# KiCad board Panel.kicad_pcb (continued)
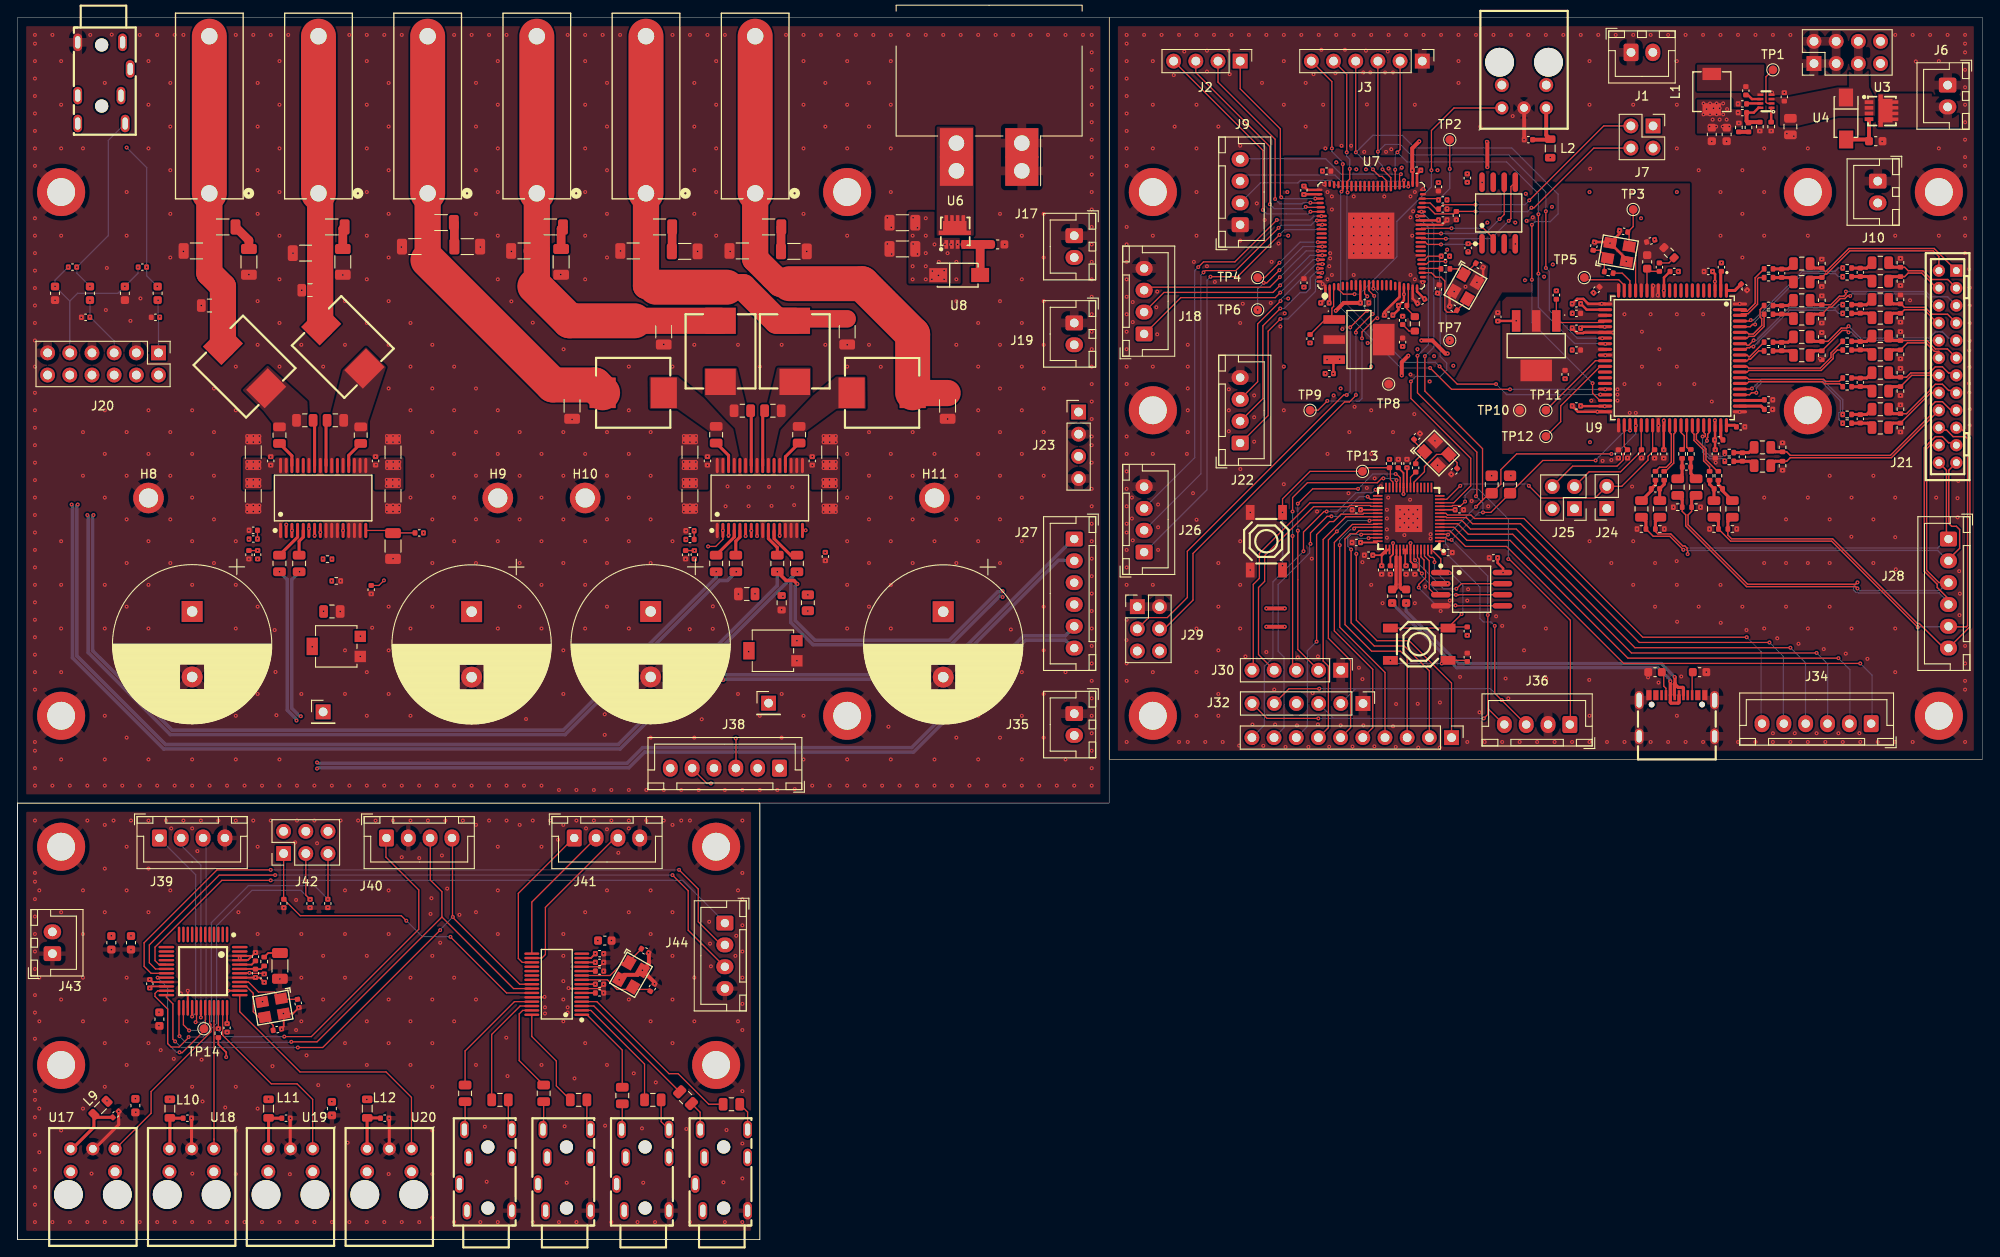
[diagram p0: board, top side]
## Routing (per net, layer and track width the routed paths; a pad name or vN(x,y) marks a point on that pad's centre or on a via; arc(x,y) is an arc through that point) (continued)
/FAULTZA: length 58
  Top w0.143: U12.6 164.91,82 166.12,80.8 171.2,80.8 184.8,67.2 v1(206,67.2)
  Bottom w0.143: v1(206,67.2) 207.27,65.93 207.27,59
/FAULTZB: length 55.7
  Top w0.143: v1(203,67.8) 185.2,67.8 171.6,81.4 166.36,81.4 165.36,82.4 U12.7
  Bottom w0.143: v1(203,67.8) 204.73,66.07 204.73,59
/LIN: length 7.2
  Bottom w0.143: v1(8.3,107.6) v1(8.3,105.7) 11.07,102.93 J20.5
/MUTEA: length 53.8
  Top w0.143: v1(200.6,68.4) 185.7,68.4 172.1,82 166.6,82 165.9,82.7 163.64,82.7 163.54,82.8 U12.8
  Bottom w0.143: 202.19,59 202.19,66.81 v1(200.6,68.4)
/MUTEB: length 51.7
  Top w0.143: U12.9 163.54,83.2 163.74,83 166.43,83 166.83,82.6 172.5,82.6 186.1,69 v1(198,69)
  Bottom w0.143: v1(198,69) 199.65,67.35 199.65,59
/PCM1865/ADR0: length 38.1
  Top w0.143: U16.25 56,28.25 v1(49.58,34.68) ; v1(44.53,36.53) 43.95,37.1 32.38,37.1 R104.1 30.47,39 J42.1
  Bottom w0.143: v1(49.58,34.68) 49.55,34.7 46.35,34.7 v1(44.53,36.53)
/PCM1865/BCK: length 18.7
  Top w0.143: 68.77,46 68.4,46 60.45,38.05 60.45,32.65 60.05,32.25 U16.17
/PCM1865/DOUT: length 18.2
  Top w0.143: U16.18 57.8,31.75 57.35,32.2 57.35,39.66 63.69,46
/PCM1865/LRCK: length 16.3
  Top w0.143: U16.16 58.89,38.66 66.23,46
/PCM1865/SCL: length 62.9
  Top w0.143: v1(18.55,23.3) 18.5,23.35 U15.25 ; 48.6,36.95 56.8,28.75 U16.24 ; 48.6,36.95 34.3,22.65 v1(31.35,22.65) ; 48.6,36.95 48.6,39.85 47.27,41.18 47.27,46
  Bottom w0.143: v1(18.55,23.3) 19.25,22.6 31.3,22.6 v1(31.35,22.65) 31.4,22.6
/PCM1865/SDA: length 65.4
  Top w0.143: v1(18.05,22.7) 17.8,22.95 17.8,27 17.05,27.75 U15.24 ; v1(32.1,22) 34.95,22 v1(48.4,35.45) ; U16.23 57.5,29.25 49.85,36.9 v1(49.85,36.95) 49.8,36.95 49.81,36.94 49.81,46
  Bottom w0.143: v1(18.05,22.7) 18.75,22 v1(32.1,22) ; v1(49.85,36.95) 48.4,35.5 v1(48.4,35.45)
/PCM9211/ADR0: length 44.3
  Top w0.143: J42.3 33.02,39.47 R105.1 ; R105.1 v1(33.5,38.95) 33.53,38.95 R105.1 ; U15.23 16.05,28.5 15.75,28.2 15.75,27.85 17.2,26.4 17.2,22.45 17.6,22.05 18.5,22.05 19.6,23.15 v1(19.6,23.2) 19.65,23.2
  Bottom w0.143: v1(33.5,38.95) 32.45,40 26.85,40 22.8,35.95 22.8,24.75 21.25,23.2 v1(19.6,23.2)
/PCM9211/ADR1: length 38.1
  Top w0.143: U15.26 19,24.6 v1(19.65,23.95) ; R106.1 35.55,39 v1(35.55,39) 35.56,39 35.56,44.22
  Bottom w0.143: v1(19.65,23.95) 21.12,23.95 22.2,25.03 22.2,36.3 26.45,40.55 34,40.55 v1(35.55,39)
/PCM9211/BCK: length 81.3
  Top w0.143: 81,33.77 80.58,33.77 77.95,36.4 77.95,40.15 v1(75.75,42.35) ; U15.19 15.3,30.5 14.5,31.3 14.5,34 22.85,42.35 v1(29,42.35)
  Bottom w0.143: 75.7,42.35 v1(75.75,42.35) v1(29,42.35)
/PCM9211/BCKI: length 22.6
  Top w0.143: U15.30 v1(21,25.45)
  Bottom w0.143: v1(21,25.45) 21,42.9 18.73,45.17 18.73,46
/PCM9211/DIN: length 23.4
  Top w0.143: U15.28 v1(20,25.55)
  Bottom w0.143: 16.19,46 20.4,41.79 20.4,25.95 v1(20,25.55)
/PCM9211/DOUT: length 73.5
  Top w0.143: U15.17 16.2,31.5 15.75,31.95 15.75,33.5 23.4,41.15 v1(29,41.15)
  Bottom w0.143: v1(29,41.15) 76.16,41.15 81,36.31
/PCM9211/LRCK: length 80.5
  Top w0.143: U15.18 15.8,31 15.1,31.7 15.1,33.75 23.1,41.75 v1(29.5,41.75) ; v1(75,41.75) 76.8,39.95 76.8,35.43 81,31.23
  Bottom w0.143: v1(29.5,41.75) v1(75,41.75)
/PCM9211/LRCKI: length 24
  Top w0.143: U15.29 20.5,25 v1(20.4,24.9) 20.35,24.85
  Bottom w0.143: v1(20.4,24.9) 21.25,24.9 21.6,25.25 21.6,45.67 21.27,46
/PCM9211/RST: length 43
  Top w0.143: 42.19,46 42.19,43.81 45.95,40.05 45.95,35.55 33.65,23.25 v1(30.55,23.25) ; R108.1 v1(23,24.15) U15.34
  Bottom w0.143: v1(30.55,23.25) 23.7,23.25 23,23.95 v1(23,24.15)
/PCM9211/SCKO: length 17.4
  Top w0.143: U15.20 v1(16.05,30) ; U15.31 21.5,24.3 TP14.1 21.35,23.9 18.85,21.4 v1(18.55,21.45) 18.55,21.4
  Bottom w0.143: v1(18.55,21.45) 18.2,21.45 17.2,22.45 17.2,28.85 v1(16.05,30)
/PCM9211/SPDIF0: length 31.6
  Top w0.143: U15.37 25.45,26.1 32.35,19.2 42.2,19.2 45.11,16.29 45.11,10.34
/PCM9211/SPDIF1: length 22.2
  Top w0.143: 33.8,10.34 33.8,16.05 32.01,17.84 29.06,17.84 23.5,23.4 23.5,26.55 U15.35
/PCM9211/SPDIF2: length 16.2
  Top w0.143: 22.49,10.34 22.5,10.35 22.5,11.5 22.5,11.5 22.5,25.03 22.5,25.03 U15.33
/PCM9211/SPDIF3: length 20.8
  Top w0.143: U15.32 22,24.8 22.15,24.65 22.15,23.8 15.3,16.95 15.3,14.47 11.17,10.34
/PCM9211_RST: length 37
  Top w0.143: U12.11 164.25,84 164.34,84.09 165.29,84.09 v1(165.75,84.55) ; 177.81,59 177.81,70.94 170.8,77.95 v1(170.7,77.95)
  Bottom w0.143: v1(170.7,77.95) 170.7,82.55 167.3,85.95 166.45,85.95 165.75,85.25 v1(165.75,84.55)
/RIN: length 6.2
  Bottom w0.143: J20.1 16.15,105.55 v1(16.3,105.7) 16.1,105.9 v1(16.1,107.6)
/RP2040/GPIO20_UART_TX: length 29.7
  Top w0.143: J30.5 141.5,65.36 141.5,75.05 142.2,75.75 142.2,78.6 148,84.4 U12.31
/RP2040/GPIO21_UART_RX: length 29.5
  Top w0.143: U12.32 154.97,84 154.88,84.09 152.54,84.09 152.4,83.95 148.4,83.95 142.8,78.35 142.8,75.4 142.1,74.7 142.1,67.02 143.9,65.22
/RP2040/RPUSB_D+: length 5.1
  Top w0.2: U12.47 158.3,78.21 158.31,78.2
  Top w0.374: R97.1 158.53,74.47 158.31,74.69 158.31,78.2
/RP2040/RPUSB_D-: length 5
  Top w0.2: 157.85,78.2 157.9,78.25 U12.46
  Top w0.374: 157.85,78.2 157.85,74.6 157.72,74.47 R96.2 157.4,74.5
/RP2040/USB_D+: length 39
  Top w0.374: 189.71,63.65 189.79,63.73 189.79,64.4 v1(189.75,64.45) ; 189.71,63.65 189.75,63.65 190.15,63.25 190.68,63.25 190.75,63.18 U14.B6 ; 189.71,63.65 189.71,62.4 U14.A6
  Bottom w0.374: v1(189.75,64.45) 188.2,65.99 164.99,65.99 159,71.98 v1(159,72.9)
/RP2040/USB_D-: length 40
  Top w0.374: v1(189.25,63.95) 189.25,63.95 U14.B7 189.25,61.54 189.34,61.45 190.16,61.45 190.25,61.54 U14.A7
  Bottom w0.374: v1(157.4,72.9) 164.79,65.51 187.85,65.51 189.25,64.11 v1(189.25,63.95)
/SCL: length 122.9
  Top w0.143: 172.73,59 169.95,61.78 v1(169.95,61.8) 169.93,61.8 169.15,62.58 v1(169.15,70.3) ; J32.5 145.59,63.1 v1(149.05,63.1) ; v1(182.5,90) 171.65,90 169.85,88.2 169.85,86.55 R75.2 168.55,85.5 v1(167,83.95) 167.75,84.7 167.75,90.6 161.15,97.2 v1(161.15,101.2) ; v1(163.8,80.75) 163.75,80.8 U12.3
  Bottom w0.143: 153.21,63.1 v1(149.05,63.1) ; 153.21,63.1 J32.2 ; 153.21,63.1 168.65,63.1 v1(169.95,61.8) ; v1(182.5,90) 183,90 185.3,92.3 v1(185.3,93.25) ; v1(169.15,70.3) 168.7,70.75 167.85,70.75 167.45,71.15 167.45,74.75 163.8,78.4 163.8,79.4 163.5,79.7 163.5,80.45 v1(163.8,80.75) v1(167,83.95) ; v1(161.15,101.2) 162.17,102.22 162.17,116.33 v1(160.75,117.75)
/SDA: length 120.5
  Top w0.143: J32.6 143.07,59.7 v1(148.95,59.7) ; 168.35,60.84 168.35,60.15 v1(167.9,59.7) ; 168.35,60.84 170.19,59 ; 168.35,60.84 v1(168.35,71.55) ; U12.2 163.54,80.4 163.79,80.15 v1(164.2,80.15) ; v1(184.65,92.7) 184.62,92.73 U9.43 ; v1(167,85.15) 167.1,85.25 167.1,90.2 160.3,97 v1(160.3,101.25) ; v1(180.7,89.25) 174.65,89.25 R76.2 168.7,83.3 v1(167.8,83.3)
  Bottom w0.143: v1(148.95,59.7) 150.69,59.7 ; 150.69,59.7 v1(167.9,59.7) ; 150.69,59.7 J32.3 ; v1(160.25,117.25) 161.55,115.95 161.55,102.5 v1(160.3,101.25) ; v1(184.65,92.7) 184.1,92.7 180.7,89.3 v1(180.7,89.25) ; v1(168.35,71.55) 168.35,76 v1(164.2,80.15) 167.35,83.3 v1(167.8,83.3) 167.8,84.35 v1(167,85.15)
/SDZA: length 62
  Top w0.143: v1(211,66) 183.9,66 170.5,79.4 165.8,79.4 164,81.2 U12.4
  Bottom w0.143: v1(211,66) 212.35,64.65 212.35,59
/SDZB: length 60
  Top w0.143: v1(208.5,66.6) 184.4,66.6 170.9,80.1 165.96,80.1 164.46,81.6 U12.5
  Bottom w0.143: v1(208.5,66.6) 209.81,65.29 209.81,59
/SIN: length 21
  Bottom w0.143: 5.99,107.51 6.88,108.4 11.5,108.4 v1(12.3,109.2) 13.8,110.7 v1(13.8,111.4) ; 5.99,107.51 J20.9 ; 5.99,107.51 v1(4.3,109.2) 4.3,109.9 v1(5.8,111.4)
/TPA3126D2/FAULTZA: length 33.4
  Top w0.143: 82.27,54 82.27,57.38 v1(82.25,57.4) ; R90.2 77.52,78.93 v1(77.53,78.92)
  In1.Cu w0.143: v1(82.25,57.4) 78.15,61.5 78.15,79.55 78.47,79.88 ; 78.47,79.88 79.3,80.7 v1(81.42,80.7) ; 78.47,79.88 v1(77.53,78.92)
/TPA3126D2/FAULTZB: length 70.4
  Top w0.143: U10.3 v1(31.42,81.22) 31.42,80.53 ; R89.1 v1(27.5,78.95) 27.48,78.93 R88.2
  In1.Cu w0.143: 79.73,54 77.93,52.2 61.1,52.2 49.9,63.4 49.9,66.42 34.33,82 32.2,82 v1(31.42,81.22) 31.42,80.7 30.22,79.5 28.98,79.5 28.42,78.95 v1(27.5,78.95)
/TPA3126D2/LINN: length 170.7
  In1.Cu w0.401: J20.8 8.53,97.22 6.29,94.98 6.29,84.29 v1(6.2,84.2) ; 121,72.73 119.99,73.74 112.94,73.74 v1(112.8,73.6)
  Bottom w0.401: v1(6.2,84.2) 6.29,84.11 6.29,66.64 16.74,56.2 69,56.2 88.7,75.9 ; 88.7,75.9 88.54,75.74 88.54,70.69 91.09,68.14 106.91,68.14 112.46,73.69 112.71,73.69 v1(112.8,73.6) ; 88.7,75.9 v1(89.3,76.5)
/TPA3126D2/LINP: length 170.4
  Top w0.401: v1(87,76.5) 88,75.5 88.9,75.5 v1(89.3,75.1)
  In1.Cu w0.401: v1(6.9,84.2) 6.81,84.29 6.81,94.77 J20.6 ; v1(112.8,74.3) 112.84,74.26 119.99,74.26 121,75.27
  Bottom w0.401: v1(87,76.5) 87,74.92 68.79,56.71 16.95,56.71 6.81,66.86 6.81,84.11 v1(6.9,84.2) ; v1(112.8,74.3) 112.71,74.21 112.24,74.21 106.69,68.66 91.31,68.66 89.06,70.91 89.06,74.86 v1(89.3,75.1)
/TPA3126D2/MUTEA: length 46.3
  Top w0.143: 77.19,54 78.94,52.25 v1(79.4,52.25)
  In1.Cu w0.143: v1(87.28,80.67) 88.45,79.5 90.45,79.5 91.22,78.72 v1(92.47,78.72) 92.25,78.72 91.92,78.4 91.92,71.38 91,70.45 91,54.8 88.45,52.25 v1(79.4,52.25)
/TPA3126D2/MUTEB: length 51
  Top w0.143: R95.2 41.38,74.93 v1(41.96,75.51)
  In1.Cu w0.143: v1(37.28,81.23) 37.28,80.17 41.94,75.51 v1(41.96,75.51) 50.92,66.55 53.3,66.55 65.85,54 74.65,54
/TPA3126D2/RINN: length 179.1
  In1.Cu w0.401: C145.1 81.11,75.36 81.11,65.25 81.34,65.02 81.34,64.58 81.02,64.26 80.96,64.26 v1(80.8,64.1) ; v1(8,83) 8.09,83.09 8.09,91.7 13.61,97.22 J20.4
  Bottom w0.401: v1(8,83) 8.09,82.91 8.09,67.24 17.49,57.84 62.72,57.84 80.37,75.5 81.3,75.5 v1(82.3,76.5) ; v1(80.8,64.1) 80.89,64.19 100.36,64.19 102.56,66.4 107.77,66.4 119.18,77.81 121,77.81
/TPA3126D2/RINP: length 176.6
  In1.Cu w0.401: v1(8.7,83) 8.61,83.09 8.61,91.49 J20.2 ; v1(80,76.5) 80.6,75.9 80.6,65 v1(80.8,64.8)
  Bottom w0.401: v1(80.8,64.8) 80.89,64.71 100.14,64.71 102.35,66.91 107.56,66.91 121,80.35 ; v1(80,76.5) 80,75.85 62.51,58.36 17.71,58.36 8.61,67.46 8.61,82.91 v1(8.7,83)
/TPA3126D2/SDZA: length 36.5
  Top w0.143: v1(80.77,81.23) 80.77,80.22 79.95,79.4 v1(79.08,79.4) ; R87.1 v1(77.47,81.22) R84.2
  In1.Cu w0.143: v1(80.77,81.23) 77.48,81.23 v1(77.47,81.22) ; v1(79.08,79.4) 78.78,79.1 78.78,62.58 87.35,54
/TPA3126D2/SDZB: length 73
  Top w0.143: R83.2 27.48,80.28 v1(27.48,80.28) 27.48,80.27 R86.1 27.5,80.25 27.5,80.23 27.58,80.15 ; U10.2 30.77,80.53
  In1.Cu w0.143: v1(27.48,80.28) 29.15,80.28 v1(30.78,81.9) 31.62,82.75 37.28,82.75 38.22,81.8 38.22,80.4 51.45,67.17 53.88,67.17 64.65,56.4 82.41,56.4 84.81,54
/TPA3126D2/SINN: length 165.6
  Top w0.401: 32.3,76.55 v1(32.3,76.5) C143.1
  In1.Cu w0.401: v1(32.45,59.95) 32.45,59.81 34.51,57.75 34.51,55.2 34.84,54.87 34.84,54.43 34.36,53.95 v1(34.3,53.95) ; 32.3,76.55 31.74,75.99 31.01,75.99 30.71,75.69 29.29,75.69 28.99,75.99 11.61,75.99 4.46,83.14 4.46,98.02 J20.12
  Bottom w0.401: v1(32.45,59.95) 32.31,59.95 31.41,60.86 31.41,75.61 v1(32.3,76.5) ; v1(34.3,53.95) 34.39,54.04 70.01,54.04 71.81,55.84 102.61,55.84 115.43,68.66 119.99,68.66 121,67.65
/TPA3126D2/SINP: length 160.9
  In1.Cu w0.401: v1(34.3,54.65) 34,54.95 34,57.54 32.09,59.45 v1(31.95,59.45) ; J20.10 4.98,98.02 4.98,83.35 11.82,76.5 v1(30,76.5)
  Bottom w0.401: 121,70.19 119.99,69.18 115.21,69.18 102.39,56.36 71.59,56.36 69.79,54.56 34.39,54.56 v1(34.3,54.65) ; v1(30,76.5) 30.89,75.61 30.89,60.64 31.95,59.59 v1(31.95,59.45)
/TPA3126D2/SYNC: length 46.9
  Top w0.143: U11.16 90.23,81.23 v1(90.25,81.25)
  In1.Cu w0.143: v1(46.5,80.95) 74.3,80.95 75.7,82.35 78.85,82.35 79.55,83.05 89.8,83.05 90.7,82.15 90.7,81.7 v1(90.25,81.25)
Net-(C11-Pad2): length 3.7
  Top w0.143: 161.05,90.26 Y3.1 ; Y3.1 160.1,89.26 R70.1 ; Y3.1 159.91,91.44 C103.2
Net-(C21-Pad2): length 2
  Top w0.2: R107.1 28.72,32.82 C165.2
Net-(C23-Pad1): length 1.7
  Top w0.143: R42.1 159.34,104.08 C69.1
Net-(C26-Pad1): length 3.8
  Top w0.143: C35.1 165.69,110.54 Y2.1 164.93,111.2 R24.2
Net-(C44-Pad1): length 3.7
  Top w0.143: R26.2 181.7,112.06 Y1.1 181.16,113.33 C18.1
Net-(C45-Pad1): length 1.9
  Top w0.143: R17.2 189.1,111.88 C36.1
Net-(C46-Pad1): length 2.8
  Top w1: C20.1 50.03,116.44 R9.2
Net-(C47-Pad2): length 2.6
  Top w1: C31.2 62.25,115.79 R12.1
Net-(C48-Pad1): length 2.8
  Top w1: R13.2 74.96,113.24 74.92,113.2
Net-(C49-Pad2): length 2.8
  Top w1: 87.42,113.2 87.42,115.96 R14.1
Net-(C50-Pad1): length 3.2
  Top w1: R10.2 26.5,114.46 C29.1
Net-(C51-Pad2): length 2.6
  Top w1: C30.2 37.25,115.79 R11.1
Net-(C62-Pad1): length 2.6
  Top w0.35: C34.2 202.75,111.2 R25.2
Net-(C62-Pad2): length 2.5
  Top w0.35: R28.2 202.85,110.2 C43.1
Net-(C65-Pad1): length 2.6
  Top w0.35: C33.2 211.73,111.28 C40.1 210.03,111.28 R23.2
Net-(C65-Pad2): length 2.6
  Top w0.35: R27.2 210.03,110.32 C40.2 211.83,110.32 C42.1
Net-(C68-Pad1): length 2.6
  Top w0.35: C54.2 202.75,107 R35.2
Net-(C68-Pad2): length 2.5
  Top w0.35: R37.2 202.85,106 C68.1
Net-(C71-Pad1): length 2.6
  Top w0.35: R34.2 210.98,107.1 C62.1 211.73,107.08 C53.2
Net-(C71-Pad2): length 2.6
  Top w0.35: C67.1 211.83,106.12 C62.2 210.98,106.1 R36.2
Net-(C74-Pad1): length 2.6
  Top w0.35: R47.2 202.75,102.8 C74.2
Net-(C74-Pad2): length 2.5
  Top w0.35: R49.2 202.85,101.8 C80.1
Net-(C77-Pad1): length 2.6
  Top w0.35: R46.2 210.98,102.9 C76.1 211.73,102.88 C73.2
Net-(C77-Pad2): length 2.6
  Top w0.35: R48.2 210.98,101.9 C76.2 211.83,101.92 C79.1
Net-(C80-Pad1): length 2.6
  Top w0.35: R53.2 211.75,98.7 C81.2
Net-(C80-Pad2): length 2.5
  Top w0.35: R54.2 211.85,97.7 C85.1
Net-(C83-Pad1): length 2.6
  Top w0.35: C90.2 211.75,94.52 R57.2
Net-(C83-Pad2): length 2.5
  Top w0.35: C98.1 211.85,93.52 R58.2
Net-(C86-Pad1): length 2.6
  Top w0.35: C105.2 198.25,90.15 R61.2
Net-(C86-Pad2): length 2.5
  Top w0.35: R67.2 198.35,89.15 C120.1
Net-(C89-Pad1): length 3
  Top w0.35: R74.2 194.75,86.48 C126.1 195.23,85.77 C134.2
Net-(C89-Pad2): length 2.6
  Top w0.35: R73.2 193.75,86.52 C126.2 194.25,85.98 C133.1
Net-(C92-Pad1): length 2.6
  Top w0.35: C124.2 191.6,87.75 R66.2
Net-(C92-Pad2): length 2.5
  Top w0.35: C123.1 190.6,87.65 R65.2
Net-(C95-Pad1): length 2.6
  Top w0.35: R72.2 188.55,86.52 C125.1 188.03,84.67 C132.2
Net-(C95-Pad2): length 3
  Top w0.35: C131.1 187.07,85.77 C125.2 187.55,86.48 R71.2
Net-(J1-AUDIO_L): length 3.4
  Top w0.143: C180.1 78.17,14.58 78.17,12.6
Net-(J1-AUDIO_R): length 3.3
  Top w0.143: 83.6,12.6 83.6,14.6 C184.1
Net-(J1-Pin_1): length 20.2
  In1.Cu w0.143: v1(83.38,80.6) 83.38,67.7 v1(83.72,67.35) 83.72,67.22 86,64.95 J31.1
Net-(J2-AUDIO_L): length 3
  Top w0.143: C179.1 69.25,12.69 69.17,12.6
Net-(J2-AUDIO_R): length 3.8
  Top w0.143: 74.6,12.6 73.7,13.5 C183.1
Net-(J2-Pin_1): length 21.6
  In1.Cu w0.143: v1(33.38,81.42) 33.38,68.28 v1(33.75,67.9) 35,66.65 J33.1
Net-(J3-AUDIO_L): length 3.2
  Top w0.143: C178.1 60.25,12.69 60.17,12.6
Net-(J3-AUDIO_R): length 3.6
  Top w0.143: 65.6,12.6 65.2,13 C182.1
Net-(J3-Pin_1): length 52
  Top w3: J13.1 46.97,112.23 47,112.2
  Top w4: J13.1 J13.1 ; L7.2 66.1,97.9 61.3,97.9 47,112.2
Net-(J4-AUDIO_L): length 3.2
  Top w0.143: 51.17,12.6 51.25,12.69 C177.1
Net-(J4-AUDIO_R): length 3.6
  Top w0.143: C181.1 56.2,13 56.6,12.6
Net-(J4-Pin_1): length 51.1
  Top w3: L4.2 70.65,105.25 ; 59.47,109.69 C23.2 59.47,113.26 J14.1
  Top w4: 59.24,109.22 63.21,105.25 70.65,105.25 ; J14.1 J14.1
Net-(J5-Pin_1): length 53.4
  Top w2: L5.2 89.22,105.47 C72.1
  Top w3: J15.1 71.97,109.23 72.97,109.23 73.1,109.1 ; 81.2,109.1 83.1,109.1 86.95,105.25 L5.2
  Top w4: J15.1 J15.1 ; 81.2,109.1 73.1,109.1
Net-(J6-Pin_1): length 57.8
  Top w3: J16.1 84.47,112.33 87.3,109.5 88.4,109.5 ; L8.2 102.53,96.97 C88.2
  Top w4: J16.1 J16.1 ; 88.4,109.5 96.7,109.5 102.5,103.7 L8.2
Net-(J7-Pin_1): length 36
  Top w3: J11.1 21.97,110.73 23.53,109.17 L6.2
  Top w4: J11.1 J11.1
Net-(J8-Pin_1): length 33.3
  Top w3: L3.2 34.66,104.84 34.66,119.66 J12.1
  Top w4: J12.1 J12.1
Net-(J8-Pin_2): length 34.5
  Top w0.143: v1(157.8,87.7) 157.9,87.7 158.33,87.27 158.33,86.18 U12.24 ; J30.2 146.6,67.59 v1(146.6,81.2) ; v1(146.6,84.3) 148.3,86 v1(153.5,86)
  Bottom w0.143: v1(146.6,81.2) v1(146.6,84.3) ; v1(157.8,87.7) 155.2,87.7 v1(153.5,86)
Net-(J8-Pin_3): length 33.7
  Top w0.143: v1(146,83.4) 146,85 147.7,86.7 155.7,86.7 156.2,87.2 v1(156.4,87.2) ; v1(146,80.6) 146,65.66 146.44,65.22 ; v1(157.9,87) U12.25
  Bottom w0.143: v1(156.4,87.2) 157.7,87.2 v1(157.9,87) ; v1(146,80.6) v1(146,83.4)
Net-(J9-AUDIO_L): length 21.6
  Bottom w0.143: J5.4 10.4,125.92 10.4,115 v1(6.8,111.4) 6.8,110.7 v1(8.3,109.2)
Net-(J9-AUDIO_R): length 24.8
  In1.Cu w0.143: J5.3 6.9,126.7 8.5,125.1 v1(12.5,125.1)
  Bottom w0.143: v1(16,109.2) 14.8,110.4 v1(14.8,111.4) 14.8,122.8 v1(12.5,125.1)
Net-(J9-Pin_1): length 32.1
  Top w0.143: U12.41 154.75,80.4 v1(154.7,80.35) ; J37.1 164.2,63.75 159.35,68.6 155.65,68.6 153.3,70.95 v1(153.3,78.55)
  Bottom w0.143: v1(154.7,80.35) 154.67,80.32 153.37,80.32 153.25,80.2 153.25,78.65 153.2,78.6 153.25,78.55 v1(153.3,78.55)
Net-(J9-Pin_2): length 32.4
  Top w0.143: U12.40 153.9,80.8 v1(153.85,80.75) ; v1(152.7,79.05) 152.7,70.65 155.35,68 158.8,68 161.66,65.14 J37.2
  Bottom w0.143: v1(153.85,80.75) 152.7,80.75 152.3,80.35 152.3,79.45 v1(152.7,79.05)
Net-(J9-Pin_3): length 31.8
  Top w0.143: J37.3 159.12,66.63 158.35,67.4 155.05,67.4 152,70.45 152,80.25 152.6,80.85 153.25,80.85 153.6,81.2 U12.39
Net-(J9-Pin_4): length 29.7
  Top w0.143: v1(151.4,79.55) 151.4,70.15 156.58,64.97 J37.4 ; U12.38 153.2,81.6 v1(153.05,81.45)
  Bottom w0.143: v1(151.4,79.55) 151.4,80.1 152.6,81.3 152.9,81.3 v1(153.05,81.45)
Net-(J9-Pin_5): length 30.5
  Top w0.143: U12.37 155.67,81.92 152.85,81.92 150.78,79.86 150.78,69.72 155.18,65.32 155.18,58.64 J37.5
Net-(J9-Pin_6): length 30.8
  Top w0.143: v1(154.8,82.35) 154.85,82.4 U12.36 ; v1(151.07,81.12) 150.1,80.15 150.1,68.88 152.64,66.34 152.64,58.64 J37.6
  Bottom w0.143: v1(154.8,82.35) 152.3,82.35 v1(151.07,81.12)
Net-(J9-Pin_7): length 30.7
  Top w0.143: U12.35 152.1,82.8 149.5,80.2 149.5,66.28 150.1,65.68 150.1,58.64 J37.7
Net-(J9-Pin_8): length 32.2
  Top w0.143: U12.34 154.15,83.2 154.05,83.1 151.55,83.1 150.7,82.25 150.25,82.25 148.75,80.75 v1(148.75,68.5)
  Bottom w0.143: v1(148.75,68.5) 147.7,67.45 147.7,58.78 J37.8
Net-(J9-Pin_9): length 35.3
  Top w0.143: U12.30 154.9,84.8 v1(154.6,85.1) ; v1(148.05,79.7) 148.05,80.95 149.95,82.85 v1(150.45,82.85)
  Bottom w0.143: v1(148.05,79.7) 147.95,79.6 147.95,78.64 144.35,75.04 144.35,67.4 145.02,66.73 145.02,58.64 J37.9 ; v1(154.6,85.1) 153.65,85.1 151.4,82.85 v1(150.45,82.85)
Net-(J9-Pin_10): length 37.1
  Top w0.143: v1(155.5,85.9) 155.75,85.65 U12.29 ; v1(147.25,78.85) 147.25,81.05 149.6,83.4 v1(149.9,83.4)
  Bottom w0.143: v1(147.25,78.85) 143.75,75.35 143.75,66.66 142.77,65.68 142.77,58.93 J37.10 ; v1(155.5,85.9) 155.17,85.57 153.27,85.57 151.1,83.4 v1(149.9,83.4)
Net-(J11-Pin_1): length 22.1
  Top w0.143: v1(144.7,119.4) 144.6,119.5 144.6,127.23 140,131.83 J2.1 ; U7.69 v1(148.6,119.25)
  Bottom w0.143: v1(144.7,119.4) 144.85,119.25 v1(148.6,119.25)
Net-(J11-Pin_2): length 24
  Top w0.143: v1(144,119.2) 144,126.05 137.46,132.59 J2.2 ; v1(148.04,118.78) 148.07,118.75 U7.70
  Bottom w0.143: v1(148.04,118.78) 147.23,118.78 147.1,118.65 144.55,118.65 v1(144,119.2)
Net-(J11-Pin_3): length 26.1
  Top w0.143: U7.71 147.55,118.25 v1(147.5,118.3) ; J2.3 134.92,133.68 143.4,125.2 v1(143.4,118.6)
  Bottom w0.143: v1(147.5,118.3) 147.3,118.1 143.9,118.1 v1(143.4,118.6)
Net-(J11-Pin_4): length 28.2
  Top w0.143: U7.72 v1(148.05,117.75) ; J2.4 142.6,124.78 v1(142.6,117.95)
  Bottom w0.143: v1(148.05,117.75) 147.8,117.5 143.05,117.5 v1(142.6,117.95)
Net-(J12-Pin_2): length 20.8
  Top w0.143: U7.47 v1(159.25,120.65)
  Bottom w0.143: v1(159.25,120.65) 151.15,120.65 150.47,121.33 146.88,121.33 146.6,121.05 142.32,121.05 140,118.73
Net-(J12-Pin_3): length 19.9
  Top w0.143: U7.48 v1(158.75,121.35)
  Bottom w0.143: v1(158.75,121.35) 158.65,121.25 151.55,121.25 150.85,121.95 140.68,121.95 140,121.27
Net-(J12-Pin_4): length 20.5
  Top w0.143: 158.25,120.8 U7.49 158.25,121.9 v1(158.4,122.05)
  Bottom w0.143: 140,123.81 149.79,123.81 151.55,122.05 v1(158.4,122.05)
Net-(R3-Pad2): length 1.1
  Top w0.45: R3.2 R4.1
Net-(REF1-B): length 7.1
  Top w0.143: 150.7,108.84 150.7,106.9 150.5,106.7 150.5,105.67 REF1.1 149.75,105.4 148.03,103.68 R45.2
Net-(SW1-A): length 20.6
  Top w0.143: v1(164,76.35) 163.94,76.41 U13.1 162.97,77.98 U12.56 ; v1(165.35,71.65) 163.75,70.05 SW2.1 ; SW2.2 163.93,70.18 R100.2
  Bottom w0.143: v1(164,76.35) 164.1,76.35 165.5,74.95 165.5,71.8 v1(165.35,71.65)
Net-(SW1-C): length 9.1
  Top w0.143: v1(163.08,66) 163.43,66.35 SW2.4 165.87,66.35 R101.2
  Bottom w0.143: v1(157.2,66.35) 157.55,66 v1(163.08,66)
Net-(SW2-A): length 23.8
  Top w0.143: U12.26 157.5,86.76 157.2,87.06 157.2,88.32 R68.1 154.42,88.42 TP13.1 148,88 144.85,84.85 v1(144.85,83.3)
  Bottom w0.2: v1(144.85,77.2) v1(144.85,83.3)
Net-(U1-BSNL): length 3.2
  Top w0.35: U11.20 87.93,89.68 C100.1
Net-(U1-BSNR): length 6.3
  Top w0.35: C92.1 84.02,94.88 U11.26
Net-(U1-BSPL): length 6.4
  Top w0.35: U11.24 85.33,94.73 C93.1
Net-(U1-BSPR): length 3.2
  Top w0.35: U11.30 81.42,89.83 C99.1
Net-(U1-G): length 5.2
  Top w0.45: U3.4 212,125.83 R5.1 211.8,126.02 U4.2
Net-(U1-GAIN_SLV): length 11.1
  In1.Cu w0.143: v1(84.67,80.6) 84.67,76.65 v1(87.65,73.67) 90.33,73.67 v1(90.5,73.85)
Net-(U1-GVDD): length 17.5
  In1.Cu w0.143: v1(89.25,68.6) 89.25,70.75 ; 89.25,70.75 87.67,70.75 v1(84.45,73.97) 84.03,74.4 v1(84.03,81.2) ; 89.25,70.75 v1(90.5,72)
Net-(U1-LDO): length 1.6
  Top w0.2: U16.11 C166.1
Net-(U1-LINN): length 4.3
  Top w0.35: U11.11 86.63,80.3 88.53,78.4 C147.2
Net-(U1-LINP): length 3.3
  Top w0.35: C146.2 87,79.27 85.98,80.29 U11.10
Net-(U1-RINN): length 3
  Top w0.35: U11.5 82.72,80.47 82.25,80 C145.2
Net-(U1-RINP): length 3.7
  Top w0.35: C144.2 82.07,80.47 U11.4
Net-(U1-VREF): length 1.6
  Top w0.2: U16.6 C172.1
Net-(U1-XI): length 8.2
  Top w0.143: C161.1 71.43,33.28 70.04,31.89 Y4.1 69.32,31.72 67.85,30.25 U16.10
Net-(U1-XO): length 8.6
  Top w0.143: U16.9 67.55,29.75 68.65,28.65 70.18,28.65 Y4.3 70.74,28.65 72.27,28.65 C171.2
Net-(U2-BSNL): length 3.1
  Top w0.35: U10.20 37.93,89.83 C102.1
Net-(U2-BSNR): length 5.3
  Top w0.35: U10.26 34.02,93.68 C95.1
Net-(U2-BSPL): length 5.2
  Top w0.35: C96.1 35.33,93.73 U10.24
Net-(U2-BSPR): length 3.1
  Top w0.35: U10.30 31.42,89.78 C101.1
Net-(U2-GAIN_SLV): length 6.2
  Top w0.143: R94.1 v1(35.97,75.45) 35.97,75.44 R94.1 ; R94.1 36.01,75.47
  In1.Cu w0.143: v1(34.67,81.03) 34.67,80.75 36,79.42 v1(36,77.95) 35.97,77.92 v1(35.97,75.45)
Net-(U2-GVDD): length 14.7
  Top w0.143: R93.1 34.97,77.97 v1(34.97,77.97) 34.97,77.97 35.05,77.89
  In1.Cu w0.143: v1(34.03,80.65) 34.03,80.33 34.97,79.38 v1(34.97,77.97) 34.97,72.05 v1(35.05,71.97) 37.9,69.12 v1(39.28,69.12)
Net-(U2-RINN): length 3
  Top w0.35: C143.2 32.25,80 32.72,80.47 U10.5
Net-(U2-RINP): length 3.7
  Top w0.35: U10.4 32.07,80.47 C142.2
Net-(U2-SYNC): length 5.8
  Top w0.143: R85.2 43.03,80.95 C138.1 42.69,81.23 U10.16
Net-(U2A-XTI): length 7.5
  Top w0.143: U15.39 26.21,29 27,28.21 27,26.1 27.61,25.49 Y5.3 29.28,24.53 C176.2
Net-(U2A-XTO): length 7.4
  Top w0.143: C173.1 30.27,27.52 Y5.1 29.44,28.35 27.6,28.35 26.45,29.5 U15.40
Net-(U2B-FILT): length 3
  Top w0.2: R107.2 27.89,30.98 C167.1 27.23,31 25.45,31 U15.43
Net-(U2B-VCOM): length 2
  Top w0.2: U15.44 26.83,31.5 C163.1
Net-(U3-BST): length 1.9
  Top w0.28: U2.6 198.6,130.65 198.13,131.12 C1.1
Net-(U3-EN): length 4.7
  Top w0.143: TP1.1 200.2,133.2 200.2,130.31 200.36,130.15 U2.2
Net-(U3-FB): length 4.4
  Top w0.28: C4.2 198.8,129.1 199.35,129.65 U2.8
  Top w0.45: C4.2 197.98,128.13 R4.2 198.3,128.01 R1.1
Net-(U3-G): length 6.6
  Top w1: 110.5,114 108.49,114 ; 110.5,114 110.23,113.73 U8.2 ; 110.5,114 R15.1
Net-(U3-RT): length 1.7
  Top w0.28: R2.1 200.8,129.61 U2.1
Net-(U3-SS): length 1.6
  Top w0.28: U2.7 198.03,130.15 C3.1
Net-(U4-CC1): length 2.8
  Top w0.143: U14.A5 188.75,63.15 188.5,63.4 188.5,64.78 R102.1
Net-(U4-CC2): length 2.7
  Top w0.143: R103.1 191.75,64.92 U14.B5
Net-(U4-VCC): length 5.1
  Top w0.35: C190.2 41.53,13.94 L12.1 40.05,13.7 40.03,13.68 40.03,10.37
Net-(U5-CLK): length 13.4
  Top w0.143: v1(164.7,73.85) 165,73.85 165.02,73.87 U13.6 ; v1(160.8,76.3) 160.5,76.6 160.5,77.95 160.3,78.15 U12.52
  Bottom w0.143: v1(160.8,76.3) 160.8,76 162.95,73.85 v1(164.7,73.85)
Net-(U5-DI(IO0)): length 15.4
  Top w0.143: U12.53 160.7,78.2 161.05,77.85 161.05,76.8 161.23,76.62 161.23,75.83 160.45,75.05 v1(160.45,74.7) ; U13.5 164.7,72.6 v1(164.65,72.65)
  Bottom w0.143: v1(164.65,72.65) 162.45,72.65 160.45,74.65 v1(160.45,74.7)
Net-(U5-DO(IO1)): length 5
  Top w0.143: U12.55 161.5,78.44 161.79,78.15 162.05,78.15 162.25,77.95 v1(162.25,77.6)
  Bottom w0.143: v1(163.75,75.15) 162.25,76.65 v1(162.25,77.6)
Net-(U5-IO2): length 6.3
  Top w0.143: U12.54 161.1,78.3 161.65,77.75 161.65,74.55 162.33,73.87 U13.3
Net-(U5-IO3): length 12.9
  Top w0.143: v1(164.75,74.55) 165.33,75.13 U13.7 ; U12.51 159.9,77.94 v1(160.03,77.81)
  Bottom w0.143: v1(164.75,74.55) 163.29,74.55 v1(160.03,77.81)
Net-(U5-VCC): length 5.1
  Top w0.35: 28.72,10.37 28.75,10.4 L11.1 28.79,13.9 C189.2
Net-(U6-VCC): length 5.1
  Top w0.35: C188.2 17.49,13.9 L10.1 17.45,10.42 17.41,10.37
Net-(U6-VREG_VOUT): length 16.9
  Top w0.2: C151.2 159.5,77.68 U12.50 v1(159.5,79.78) ; C149.2 157.2,78.2 157.5,78.5 U12.45 v1(157.5,79.78) ; v1(158.7,85.42) U12.23 158.7,87.82 C118.2
  In2.Cu w0.45: v1(158.7,85.42) 157.5,84.22 v1(157.5,79.78) v1(159.5,79.78)
Net-(U6-XIN): length 8.5
  Top w0.143: Y3.3 162.49,89.94 161.1,88.55 161.1,87.96 159.9,86.76 U12.20 ; Y3.3 164.84,89.01 C122.2 ; Y3.3 163.9,89.7
Net-(U6-XOUT): length 2
  Top w0.143: U12.21 159.5,87.32 R70.2
Net-(U7-VCC): length 7.5
  Top w0.35: C187.2 9.09,14 L9.1 8.75,12.87 6.09,10.21
Net-(U8-AUXADC2): length 20.3
  Top w0.143: TP9.1 148.9,95 v1(149.97,96.08) ; v1(153.95,103.25) 153.95,103.98 155.52,105.55 v1(155.7,105.55)
  Bottom w0.143: v1(153.95,103.25) 153.95,96.35 153.65,96.05 150,96.05 v1(149.97,96.08) ; v1(155.7,105.55) 155.7,105.6 155.65,105.65 155.78,105.78 155.78,108.42 v1(155.25,108.95)
Net-(U8-CLKOUT): length 12.1
  Top w0.143: U7.27 161.35,111.75 161.65,112.05 v1(163.5,112.05)
  Bottom w0.143: v1(164,103) 163.57,103.43 163.57,111.98 v1(163.5,112.05)
Net-(U8-PLLFILT): length 3.9
  Top w0.143: U7.20 159.25,107.17 C60.2 159.08,106.65 160,105.72
Net-(U8-SELFBOOT): length 9.4
  Top w0.143: v1(164,122.65) TP2.1 ; R6.2 v1(162.7,119.1) 162.7,119.12 162.57,119.25 U7.42
  Bottom w0.143: v1(162.7,119.1) 164,120.4 v1(164,122.65)
Net-(U8-THD_M): length 9
  Top w0.143: U7.79 148.91,114.25 v1(148.9,114.26) ; v1(144.5,111.9) 142.8,110.2 TP4.1
  Bottom w0.143: v1(148.9,114.26) 146.86,114.26 v1(144.5,111.9)
Net-(U8-THD_P): length 11.9
  Top w0.143: v1(149.4,113.76) 149.39,113.75 U7.80 ; v1(144.5,111.05) 143.05,109.6 v1(142.7,109.6)
  Bottom w0.143: v1(149.4,113.76) 147.21,113.76 v1(144.5,111.05) ; v1(142.7,109.6) 142,108.9 v1(142,106.5)
Net-(U8-XTALIN/MCLK): length 9.7
  Top w0.143: U7.25 161.9,110.75 162.4,110.25 163,110.25 163.44,109.81 163.44,106.51 163.72,106.23 164.59,106.23 C61.2 166.01,107.66 Y2.3
Net-(U8-XTALOUT): length 2.2
  Top w0.143: U7.26 162.94,111.25 R24.1
Net-(U9-VCC): length 5.8
  Top w0.45: 175.04,129.66 175.04,126.52 L2.1 175.44,126 C8.2
Net-(U10-MCLKO): length 5.5
  Top w0.143: TP5.1 179.65,109.95 183.35,109.95 183.97,109.32 U9.19
Net-(U10-SA1): length 9.1
  Top w0.143: TP11.1 180.68,100.68 U9.31
Net-(U10-SA2): length 11.2
  Top w0.143: U9.32 181.22,100.02 176.7,95.5 176.7,93.7 TP12.1

## Copper pours and planes (outline as drawn; the poured copper is in the pictures)
+1V2 on Top: 145,124 149.25,124 149.25,125 153,125 153,124 158.5,124 158.5,127 161.5,127 161.5,124 173.5,124 173.5,108.5 170,108.5 168.5,106 163,96 145,96
+2V5 on Top: 184,90 184,93.5 182,93.5 182,108.5 191.5,108.5 191.5,121 174,121 174,108 170.5,108 170,107.5 170,90
+3V3 on Top: 192.3,126.7 196.4,126.7 196.4,127.4 197.6,127.4 197.6,129.5 196.3,129.5 196.3,130.6 192.3,130.6
+3V3 on Bottom: 126,139 224,139 224,56 126,56
+3V3 on Bottom: 84,1 1,1 1,49 84,49
+24V on Top: 75.8,89.6 81.1,89.6 81.1,87.7 79.1,87.7 79.1,85.9 75.8,85.9
+24V on Top: 94.2,89.6 88.2,89.6 88.2,87.7 90.9,87.7 90.9,85.9 94.2,85.9
+24V on Top: 200.4,130.9 202.8,130.9 208.4,132 209.7,132 209.7,138.4 211.9,138.4 212,132 212.7,130.6 212.7,128.7 208.5,128.7 203.9,127.6 201.8,127.6 201.8,130 201.3,130.4 200.4,130.4
+24V on Top: 44.2,89.6 38.2,89.6 38.2,87.7 40.9,87.7 40.9,85.9 44.2,85.9
+24V on Top: 102,117.75 105,117.75 105,114.75 108,114.75 108,109.5 102,109.5
+24V on Top: 25.8,89.6 31.1,89.6 31.1,87.7 29.1,87.7 29.1,85.9 25.8,85.9
+24V on In2.Cu: 124,139 124,51 1,51 1,139
GND on Top: 165.35,111.75 166.15,111.35 166.85,112.45 168.4,111.55 168.25,110.1 166.2,106.55 164.95,105.85 163.4,106.75 163.35,108.25
GND on Top: 149,121 161,121 161,109 149,109
GND on Top, Bottom, In1.Cu: 1,139 124,139 124,51 1,51
GND on Top, In1.Cu, In2.Cu: 84,1 1,1 1,49 84,49
GND on Top, In1.Cu, In2.Cu: 126,139 224,139 224,56 126,56
GND on In1.Cu: 126,139 224,139 224,56 126,56
GND on In2.Cu: 1,139 17,139 17,100 1,100
Net-(J6-Pin_2) on Top: 213,131.3 213,127.4 222.3,127.4 222.3,130.95 219.2,130.95 219.2,131.3
Net-(J13-Pin_2) on Top: 105.25,127.5 109.5,127.5 109.5,115 105.25,115
Net-(U1-OUTNL) on Top: 87.6,87.76 86.95,87.76 86.7,89.81 86.95,92.96 88,94.16 93.75,98.86 97.1,98.86 97.15,95.15 93.75,95.16 90.3,92.61 90.3,91.86 88.65,91.81 88.55,91.61 88.45,90.86 87.65,90.01
Net-(U1-OUTNR) on Top: 83,87.75 82.8,89.85 82.15,92.95 81.2,93.9 78.65,96.65 78.65,99.85 82.35,99.85 83.35,95.7 83.35,94.5 83.75,94.1 83.75,87.75
Net-(U1-OUTPL) on Top: 86.34,87.8 86.54,89.9 87.2,92.85 88.25,94 90.84,96.7 90.84,99.9 86.99,99.9 85.99,95.75 85.99,94.55 85.59,94.15 85.59,87.8
Net-(U1-OUTPR) on Top: 81.75,87.75 82.4,87.75 82.65,89.8 82.4,92.95 81.35,94.15 75.6,98.85 72.35,98.85 72.4,95.15 75.6,95.15 79.2,92.6 79.2,91.85 80.7,91.8 80.8,91.6 80.9,90.85 81.7,90
Net-(U2-OUTNL) on Top: 35.6,87.75 36.35,87.75 36.35,89.55 36.9,89.55 36.9,87.75 37.65,87.75 37.65,89.95 38.45,90.7 38.45,91.7 40.15,91.7 40.15,93.75 42.2,99.95 39.9,102.25 37.25,99.6 36.05,94.85 36.05,93.3 35.7,93 35.6,92.9
Net-(U2-OUTNR) on Top: 31.7,87.8 32.45,87.8 32.45,89.6 33,89.6 33,87.8 33.75,87.8 33.75,92.95 33.35,93.15 33.2,96 28.65,100.15 25.8,97.35 25.75,97.3 28.2,94.9 29.25,93.55 29.25,91.85 30.75,91.75 30.85,90.85 31.7,89.95
Net-(U3-SW) on Top: 200,130.9 198.3,130.9 198.3,131.55 192.3,131.55 192.3,134.6 200,134.6

## Text on the board
User.2: Blocked by heatsink
